# KiCad board 4-ch-backplane.kicad_pcb (continued)
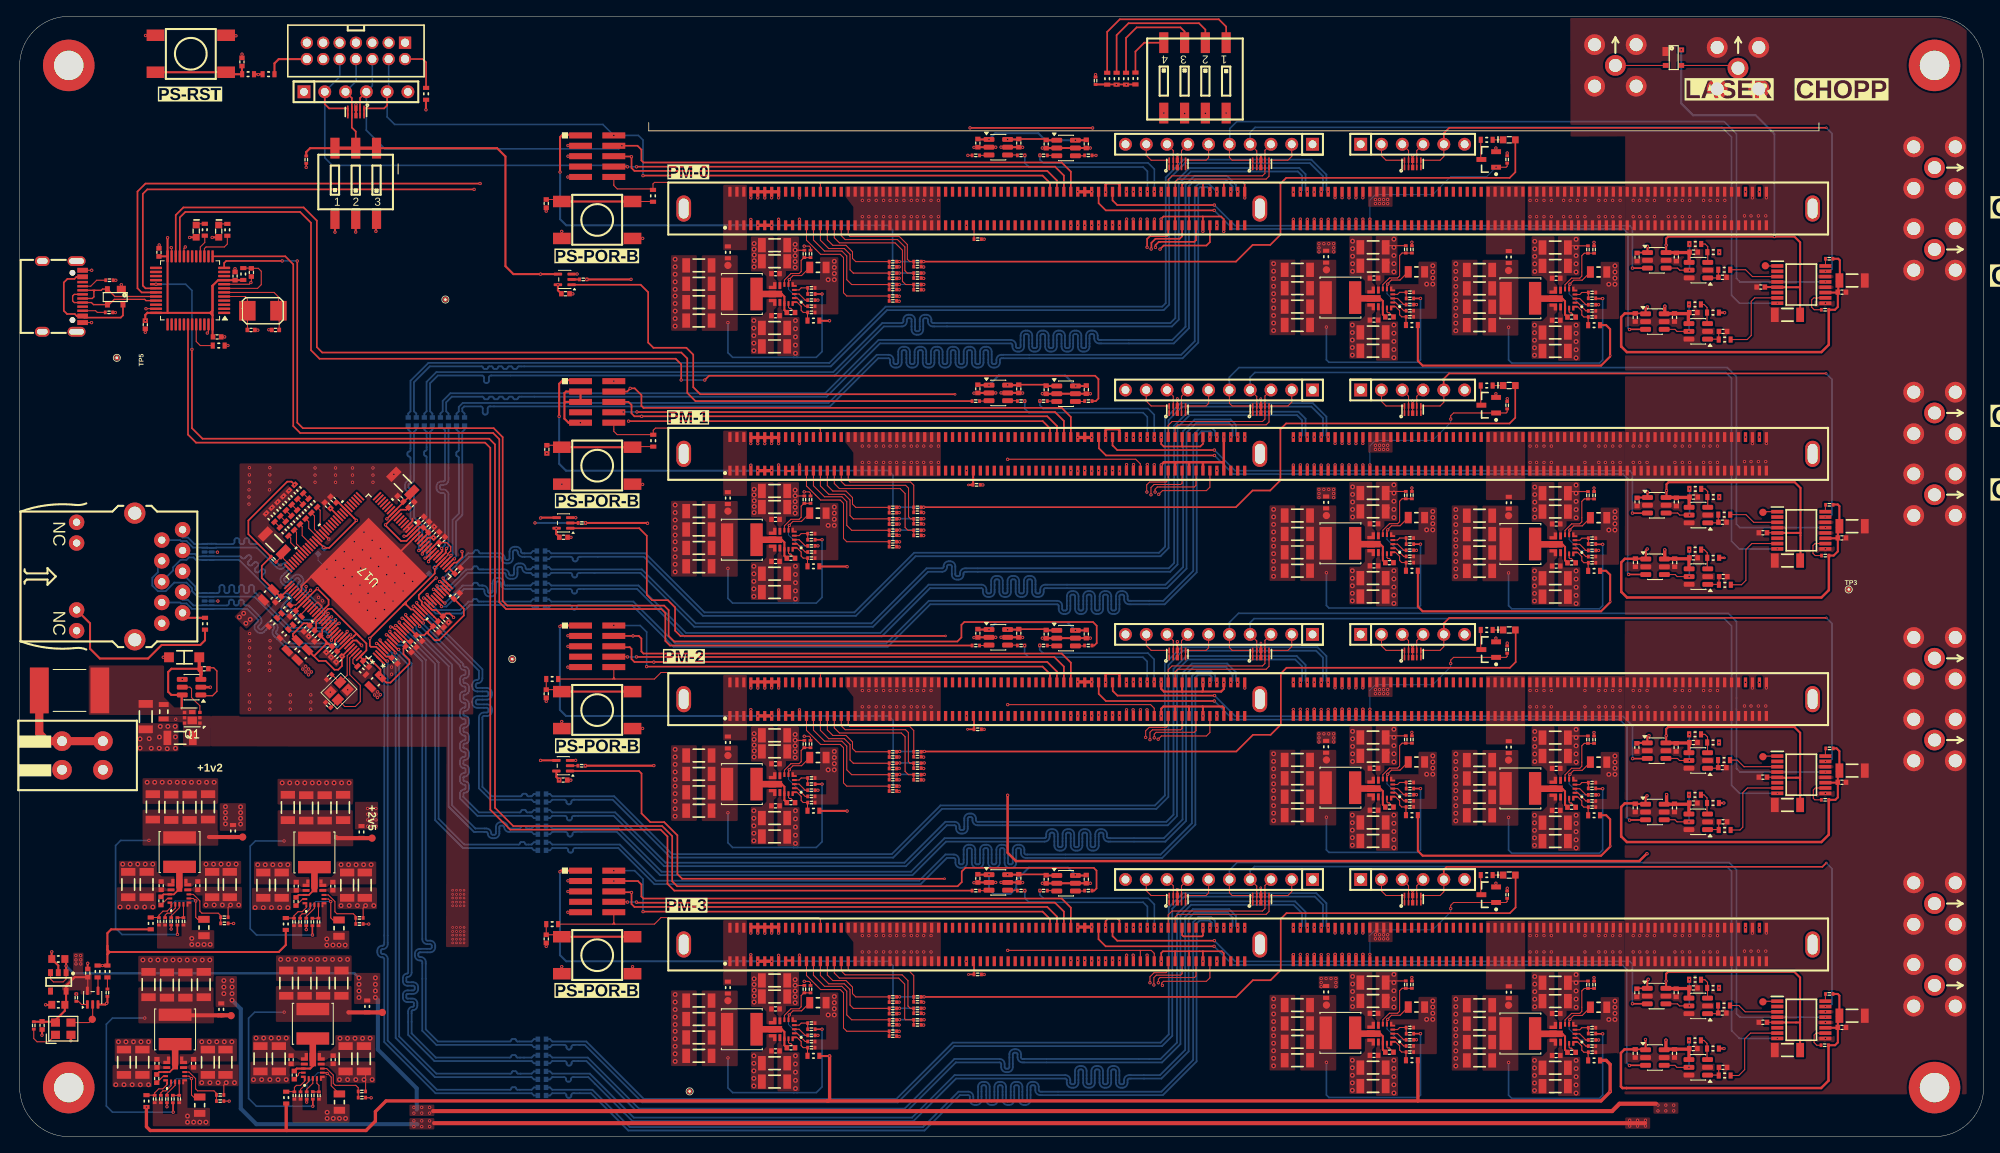
[diagram p0: board, top side]
## Routing (per net, layer and track width the routed paths; a pad name or vN(x,y) marks a point on that pad's centre or on a via; arc(x,y) is an arc through that point) (continued)
  Top Layer w0.25: C246.1 166.59,40.6 U30.13 166.59,42.24 166.26,42.57 U30.10
  Top Layer w0.8: U30.10 162.94,42.57
/TOP_LEVEL_IO/SPEEDY_PM__INST2/PWR/TPS543620_BUCK_2V4/L-: length 24.1
  Top Layer w0.2: 170.34,42.57 v1(171.19,42.57)
  Bottom Layer w0.2: v1(171.19,42.57) 171.19,35.07 170.88,34.76 159.99,34.76 159.69,35.07 v1(159.69,39.07)
/TOP_LEVEL_IO/SPEEDY_PM__INST2/PWR/TPS543620_BUCK_2V4/MODE: length 2.1
  Top Layer w0.12: U30.2 168.14,42.07 169.14,41.07 R172.2
/TOP_LEVEL_IO/SPEEDY_PM__INST2/PWR/TPS543620_BUCK_5V0_CONN/FB: length 2.5
  Top Layer w0.12: R157.1 R186.2 95.5,43.86 95.25,43.61 U32.4
/TOP_LEVEL_IO/SPEEDY_PM__INST2/PWR/TPS543620_BUCK_5V0_CONN/L+: length 5.8
  Top Layer w0.25: C248.1 93.45,41.14 U32.13 93.45,42.78 93.13,43.11 U32.10
  Top Layer w0.8: U32.10 89.8,43.11
/TOP_LEVEL_IO/SPEEDY_PM__INST2/PWR/TPS543620_BUCK_5V0_CONN/L-: length 23.6
  Top Layer w0.2: R157.2 v1(98.05,43.11)
  Bottom Layer w0.2: v1(86.55,39.61) 86.55,35.94 87.12,35.36 94.59,35.36 94.59,35.36 95.01,35.36 95.01,35.36 97.35,35.36 98.05,36.06 v1(98.05,43.11)
/TOP_LEVEL_IO/SPEEDY_PM__INST2/PWR/TPS543620_BUCK_5V0_CONN/MODE: length 2.1
  Top Layer w0.12: R174.2 96,41.61 95,42.61 U32.2
/TOP_LEVEL_IO/SPEEDY_PM__INST2/PWR/TPS543620_BUCK_5V0_PGA/FB: length 2.5
  Top Layer w0.12: 191.7,42.55 R185.2 190.9,43.3 190.65,43.05 U31.4
/TOP_LEVEL_IO/SPEEDY_PM__INST2/PWR/TPS543620_BUCK_5V0_PGA/L+: length 5.8
  Top Layer w0.25: C247.1 188.85,40.58 U31.13 188.85,42.22 188.52,42.55 U31.10
  Top Layer w0.8: U31.10 185.2,42.55
/TOP_LEVEL_IO/SPEEDY_PM__INST2/PWR/TPS543620_BUCK_5V0_PGA/L-: length 24.2
  Top Layer w0.2: 192.6,42.55 v1(193.45,42.55)
  Bottom Layer w0.2: v1(193.45,42.55) 193.45,35.05 193.06,34.66 182.33,34.66 181.95,35.05 v1(181.95,39.05)
/TOP_LEVEL_IO/SPEEDY_PM__INST2/PWR/TPS543620_BUCK_5V0_PGA/MODE: length 2.1
  Top Layer w0.12: U31.2 190.4,42.05 191.4,41.05 R173.2
/TOP_LEVEL_IO/SPEEDY_PM__INST2/SPI_CS/MIO1: length 13.7
  Top Layer w0.12: R285.1 R284.1 101.88,45.66 101.88,45.66 101.47,46.06 101.47,47.96 100.78,48.66 98.88,48.66 97.85,49.69 97.85,51.51
/TOP_LEVEL_IO/SPEEDY_PM__INST2/SPI_DQ0/BOOT_MODE[3]/MIO2: length 11.6
  Top Layer w0.12: 98.7,51.51 98.7,49.74 99.38,49.06 100.97,49.06 101.78,48.26 101.78,47.46 102.17,47.06 R246.1 R250.1
/TOP_LEVEL_IO/SPEEDY_PM__INST2/SPI_DQ1/BOOT_MODE[1]/MIO3: length 15.6
  Top Layer w0.12: R283.1 R282.1 101.67,44.26 101.07,44.86 101.07,47.76 100.47,48.36 98.35,48.36 97,49.71 97,51.51
/TOP_LEVEL_IO/SPEEDY_PM__INST2/SPI_DQ2/BOOT_MODE[2]/MIO4: length 18
  Top Layer w0.12: 96.15,49.76 96.15,49.69 ; 96.15,49.76 96.15,49.69 97.28,48.56 97.88,47.96 100.28,47.96 100.68,47.56 100.68,43.26 101.07,42.86 R280.1 R281.1 ; 96.15,49.76 96.15,51.51
/TOP_LEVEL_IO/SPEEDY_PM__INST2/SPI_DQ3/BOOT_MODE[0]/MIO5: length 14.7
  Top Layer w0.12: R265.1 R264.1 108.81,45.66 108.6,45.88 108.6,49.42 108.26,49.76 100.88,49.76 100.4,50.24 100.4,51.51
/TOP_LEVEL_IO/SPEEDY_PM__INST2/SPI_SCK/BOOT_MODE[4]/MIO6: length 16.7
  Top Layer w0.12: 99.55,51.51 99.55,49.99 100.18,49.36 107.74,49.36 108.2,48.9 108.2,44.66 108.6,44.26 R256.1 R257.1
/TOP_LEVEL_IO/SPEEDY_PM__INST2/SPI_SCLK_FB/VMODE[1]/MIO8: length 12.6
  Top Layer w0.12: 101.25,51.51 101.25,50.39 101.47,50.16 108.76,50.16 109.26,49.67 R296.1 R297.1
/TOP_LEVEL_IO/SPEEDY_PM__INST2/TRIGGER_IN_0: length 20.9
  Top Layer w0.12: D19.1 D19.10 138.27,59.46 137.67,60.07 J29.9
  In1.Cu w0.2: v1(129.3,51.45) 129.28,51.47 129.28,52.39 129.8,52.92 131.75,52.92 132.2,53.37 132.2,57.2 134.92,59.92 136.68,59.92 137.65,60.89 137.65,61.42
/TOP_LEVEL_IO/SPEEDY_PM__INST2/TRIGGER_IN_1: length 20.1
  Top Layer w0.12: J29.8 140.98,60.66 D19.9 D19.2
  In1.Cu w0.2: v1(131,51.45) 131,51.5 130.98,51.52 130.98,52.17 131.28,52.47 132.4,52.47 133.18,53.24 133.18,57.49 135.03,59.34 139.28,59.34 140.19,60.25 140.19,61.42
/TOP_LEVEL_IO/SPEEDY_PM__INST2/TRIGGER_OUT_0: length 21.3
  Top Layer w0.12: J29.7 141.98,60.64 D19.7 D19.4
  In1.Cu w0.2: 142.73,61.42 142.73,59.42 142.18,58.87 135.35,58.87 133.95,57.47 133.95,53.09 132.68,51.82 132.68,51.52
  Bottom Layer w0.12: 142.77,61.4 J29.7
  vias: v1(132.7,51.51)
/TOP_LEVEL_IO/SPEEDY_PM__INST2/TRIGGER_OUT_1: length 25.1
  Top Layer w0.12: 134.41,51.52 v1(134.4,51.51) ; J29.6 145.29,59.78 144.98,59.46 D19.6 D19.5
  In1.Cu w0.2: 145.27,61.42 145.27,59.28 144.33,58.34 135.45,58.34 134.38,57.27 134.38,51.52
/TOP_LEVEL_IO/SPEEDY_PM__INST2/TTC0_IN: length 19.4
  Top Layer w0.12: 141.2,55.61 141.2,56.84 141.52,57.16 152.32,57.16 152.68,57.51 D11.5 D11.6 154.98,59.46 155.45,59.94 J29.2
/TOP_LEVEL_IO/SPEEDY_PM__INST2/TTC0_OUT: length 17.5
  Top Layer w0.12: J29.3 152.18,60.68 D11.7 D11.4 152.18,57.86 151.88,57.56 140.82,57.56 140.35,57.09 140.35,55.61
/TOP_LEVEL_IO/SPEEDY_PM__INST2/UART_LS/RX_OUT: length 17.7
  Bottom Layer w0.2: v1(138.63,55.63) 138.63,58.38 137.88,59.13 125.06,59.13 124.66,59.53 v1(124.66,60.08)
/TOP_LEVEL_IO/SPEEDY_PM__INST2/UART_LS/TX_IN: length 18.8
  Top Layer w0.12: 122.81,60.08 v1(122.81,60.05)
  Bottom Layer w0.2: v1(137.78,55.63) 137.78,58.11 137.26,58.63 123.31,58.63 122.81,59.13 v1(122.81,60.05)
/TOP_LEVEL_IO/SPEEDY_PM__INST3/CH1: length 25.3
  In1.Cu w0.276: 234,28.47 212.2,28.47 210.9,27.17 210.9,25.53
  vias: v1(210.9,25.55)
/TOP_LEVEL_IO/SPEEDY_PM__INST3/CH2: length 30.9
  In1.Cu w0.276: 234,18.47 227.3,18.47 226.45,19.32 226.45,26.47 225.52,27.4 213.07,27.4 212.6,26.92 212.6,25.53
  vias: v1(212.6,25.55)
/TOP_LEVEL_IO/SPEEDY_PM__INST3/FPGA_T19: length 104
  Top Layer w0.12: 159.9,21.54 159.9,22.27 v1(159.9,22.27) ; J34.5 174.04,29.95 173.58,29.49 D22.6 D22.5
  Top Layer w0.2: v3(220.77,33.47) 220.3,33 174.38,33 174.03,32.65 174.03,31.45
  In1.Cu w0.2: 174.04,31.43 174.08,31.39 174.08,29.15 172.45,27.53 155.49,27.53 155.09,27.12 155.09,24.91 155.52,24.48 159.17,24.48 159.9,23.74 159.9,22.26
  Bottom Layer w0.2: v3(220.77,33.47) 221.47,32.77 221.47,16.19 221.19,15.92 v3(220.65,15.92)
/TOP_LEVEL_IO/SPEEDY_PM__INST3/FPGA_T20: length 33.2
  Top Layer w0.12: J34.4 170.73,30.67 D22.7 D22.4 ; v1(159.05,22.26) 159.05,21.54
  In1.Cu w0.2: 159.05,22.25 159.05,23.4 158.49,23.96 154.89,23.96 154.64,24.21 154.64,27.59 155.03,27.97 170.8,27.97 171.5,28.67 171.5,31.43
/TOP_LEVEL_IO/SPEEDY_PM__INST3/FPGA_U17: length 30.3
  Top Layer w0.12: 157.35,21.54 157.35,22.27 v1(157.35,22.27) ; J34.3 169.73,30.67 D22.9 D22.2 ; 169.04,30.82 169.04,31.44
  In1.Cu w0.2: 168.96,31.43 168.96,29.13 168.18,28.35 154.63,28.35 154.22,27.94 154.22,23.78 154.57,23.43 156.69,23.43 157.35,22.77 157.35,22.26
/TOP_LEVEL_IO/SPEEDY_PM__INST3/FPGA_U20: length 22.4
  Top Layer w0.12: 165,21.54 165,22.28 v1(165,22.28) ; R190.2 181.77,28.76 181.65,28.64 Q7.1 175.23,28.64 174.88,28.29 v1(174.88,27.89)
  Bottom Layer w0.12: v1(165,22.28) 165,22.29 165,24.61 165.68,25.29 172.68,25.29 174.88,27.49 v1(174.88,27.89)
/TOP_LEVEL_IO/SPEEDY_PM__INST3/FPGA_V18: length 29.3
  Top Layer w0.12: D22.1 D22.10 166.97,29.49 166.42,30.05 J34.2 ; v1(156.5,22.29) 156.5,21.54
  In1.Cu w0.2: 156.5,22.28 156.5,22.75 156.35,22.9 154.3,22.9 153.83,23.38 153.83,28.22 154.5,28.9 165.76,28.9 166.42,29.55 166.42,31.43
/TOP_LEVEL_IO/SPEEDY_PM__INST3/I2C0_SCL: length 115.6
  Top Layer w0.12: 135.28,25.66 135.25,25.64 ; D23.1 D23.10 148.17,29.49 147.83,29.83 J36.5
  In1.Cu w0.2: 135.25,25.58 135.25,27.03 135.83,27.62 147,27.62 147.83,28.45 147.83,31.4
  Bottom Layer w0.2: 220.66,14.61 210.23,14.61 209.8,15.04 209.8,32.62 208.9,33.52 148.76,33.52 147.83,32.59 J36.5 147.88,31.49
  vias: v1(135.24,25.62) v3(220.66,14.61)
/TOP_LEVEL_IO/SPEEDY_PM__INST3/I2C0_SDA: length 108.5
  Top Layer w0.12: J36.4 151.18,30.64 D23.9 D23.2
  In1.Cu w0.2: 150.38,31.4 150.38,27.69 149.7,27.02 136.45,27.02 136.1,26.67 v1(136.1,25.59)
  Bottom Layer w0.2: J36.4 150.37,32.51 150.89,33.03 208.6,33.03 209.2,32.43 209.2,12.96 210.15,12.01 214.79,12.01
  vias: v3(214.79,12.01)
/TOP_LEVEL_IO/SPEEDY_PM__INST3/Laser_Chopper_FE/CHOPPER_OUT: length 81.3
  Top Layer w0.2: 198.68,8.72 196.74,8.72 v1(196.71,8.7) ; v1(145.96,23.28) 132.71,23.28 131.84,24.15 131.84,25.55
  Bottom Layer w0.2: v1(145.96,23.28) 148.24,21 195.85,21 196.4,20.45 196.4,9.01 v1(196.71,8.7)
/TOP_LEVEL_IO/SPEEDY_PM__INST3/Laser_Chopper_FE/DAC_CHOPPER: length 10.2
  Top Layer w0.12: 209.21,7.35 R226.1 210.07,7.47 210.8,8.2 210.8,11.95 211.51,12.66 U50.7
/TOP_LEVEL_IO/SPEEDY_PM__INST3/Laser_Chopper_FE/DAC_SYNC: length 6.1
  Top Layer w0.12: U50.3 210.86,15.26 210.09,16.04 R230.1
/TOP_LEVEL_IO/SPEEDY_PM__INST3/Laser_Chopper_FE/LASER_SYNC_OUT: length 72.8
  Top Layer w0.12: 197.05,16.21 v1(197.09,16.25)
  Top Layer w0.2: v1(146,23.96) 134.12,23.96 133.55,24.54 133.55,25.59 ; 198.93,16.25 v1(197.09,16.25)
  Bottom Layer w0.2: v1(146,23.96) 148.52,21.44 196.75,21.44 197.07,21.11 197.07,16.26 v1(197.09,16.25)
/TOP_LEVEL_IO/SPEEDY_PM__INST3/PM__1V8: length 0.9
  Top Layer w0.25: 93.6,21.54 94.45,21.54
/TOP_LEVEL_IO/SPEEDY_PM__INST3/PM__2V4:
  vias: v1(159.05,19.34) v1(159.05,18.84) v1(159.05,18.34) v1(159.64,19.34) v1(160.25,19.34) v1(160.85,19.34) v1(160.85,18.84) v1(160.85,18.34) v1(165.68,24.69) v1(165.68,24.19) v1(166.18,24.69) v1(166.18,24.19) v1(166.68,24.69) v1(166.68,24.19) v1(167.18,24.69) v1(167.18,24.19)
/TOP_LEVEL_IO/SPEEDY_PM__INST3/PM__3V3: length 161.1
  Top Layer w0.2: R286.2 107.47,12.89 v1(107.47,12.88) ; R298.2 110.51,17.09 ; 110.51,17.09 148.66,17.09 150.7,19.13 152.85,19.13 154.1,20.38 154.1,26.63 154.8,27.33 182.1,27.33 182.8,28.03 182.8,31.98 ; 110.51,17.09 v1(110.53,17.1) ; v1(107.53,15.7) 107.51,15.69 R290.2 ; v1(110.53,15.7) 110.51,15.69 R266.2 ; R288.2 107.51,14.29 v1(107.53,14.3) ; R247.2 107.51,17.09 v1(107.53,17.1) ; R258.2 110.51,14.29 v1(110.53,14.3)
  Top Layer w0.25: v1(66.03,32.4) 66.15,32.53 J40.1
  Top Layer w0.4: v1(91.9,21.45) v1(90.2,21.45)
  Bottom Layer w0.2: 106.72,17.1 v1(107.53,17.1) v1(110.53,17.1) ; 106.72,17.1 106.72,15.7 ; 106.72,17.1 106.72,20.9 106.18,21.45 v1(91.9,21.45) ; 106.72,15.7 v1(107.53,15.7) v1(110.53,15.7) ; 106.72,15.7 106.72,14.3 ; v1(107.47,12.88) 106.84,12.88 106.72,13 106.72,14.3 ; 106.72,14.3 v1(107.53,14.3) v1(110.53,14.3)
  Bottom Layer w0.25: v1(66.03,32.4) 66.03,22.2 66.78,21.45 v1(90.2,21.45)
/TOP_LEVEL_IO/SPEEDY_PM__INST3/PS_POR_B: length 35.3
  Top Layer w0.12: 72.61,26.12 72.61,26.12 72.74,25.99 ; 72.61,26.12 72.47,25.99 ; 72.61,26.12 72.61,26.19 ; R191.2 72.47,25.99 ; 72.47,25.99 72.74,25.99 ; 72.74,25.99 77.57,25.99 78.38,26.79 97.68,26.79 97.85,26.61 97.85,25.64 ; J40.10 72.61,26.19 ; 72.61,26.19 72.61,26.06
/TOP_LEVEL_IO/SPEEDY_PM__INST3/PWR/TPS543620_BUCK_2V4/FB: length 2.5
  Top Layer w0.12: 169.44,12.59 R222.2 168.64,13.34 168.39,13.09 U36.4
/TOP_LEVEL_IO/SPEEDY_PM__INST3/PWR/TPS543620_BUCK_2V4/L+: length 5.8
  Top Layer w0.25: U36.10 166.26,12.59 166.59,12.27 U36.13 166.59,10.63 C291.1
  Top Layer w0.8: U36.10 162.94,12.59
/TOP_LEVEL_IO/SPEEDY_PM__INST3/PWR/TPS543620_BUCK_2V4/L-: length 24.1
  Top Layer w0.2: 170.34,12.59 v1(171.19,12.59)
  Bottom Layer w0.2: v1(159.69,9.09) 159.69,5.09 159.99,4.79 170.88,4.79 171.19,5.09 v1(171.19,12.59)
/TOP_LEVEL_IO/SPEEDY_PM__INST3/PWR/TPS543620_BUCK_2V4/MODE: length 2.1
  Top Layer w0.12: R210.2 169.14,11.09 168.14,12.09 U36.2
/TOP_LEVEL_IO/SPEEDY_PM__INST3/PWR/TPS543620_BUCK_5V0_CONN/FB: length 2.5
  Top Layer w0.12: R195.1 R224.2 95.5,13.88 95.25,13.63 U38.4
/TOP_LEVEL_IO/SPEEDY_PM__INST3/PWR/TPS543620_BUCK_5V0_CONN/L+: length 5.8
  Top Layer w0.25: C293.1 93.45,11.17 U38.13 93.45,12.81 93.13,13.13 U38.10
  Top Layer w0.8: U38.10 89.8,13.13
/TOP_LEVEL_IO/SPEEDY_PM__INST3/PWR/TPS543620_BUCK_5V0_CONN/L-: length 23.6
  Top Layer w0.2: R195.2 v1(98.05,13.13)
  Bottom Layer w0.2: v1(98.05,13.13) 98.05,6.09 97.35,5.39 95.01,5.39 95.01,5.38 94.59,5.38 94.59,5.39 87.12,5.39 86.55,5.96 v1(86.55,9.63)
/TOP_LEVEL_IO/SPEEDY_PM__INST3/PWR/TPS543620_BUCK_5V0_CONN/MODE: length 2.1
  Top Layer w0.12: R212.2 96,11.63 95,12.63 U38.2
/TOP_LEVEL_IO/SPEEDY_PM__INST3/PWR/TPS543620_BUCK_5V0_PGA/FB: length 2.5
  Top Layer w0.12: U37.4 190.65,13.07 190.9,13.32 R223.2 191.7,12.57
/TOP_LEVEL_IO/SPEEDY_PM__INST3/PWR/TPS543620_BUCK_5V0_PGA/L+: length 5.8
  Top Layer w0.25: U37.10 188.52,12.57 188.85,12.25 U37.13 188.85,10.61 C292.1
  Top Layer w0.8: U37.10 185.2,12.57
/TOP_LEVEL_IO/SPEEDY_PM__INST3/PWR/TPS543620_BUCK_5V0_PGA/L-: length 24.2
  Top Layer w0.2: 192.6,12.57 v1(193.45,12.57)
  Bottom Layer w0.2: v1(181.95,9.07) 181.95,5.07 182.33,4.69 193.06,4.69 193.45,5.07 v1(193.45,12.57)
/TOP_LEVEL_IO/SPEEDY_PM__INST3/PWR/TPS543620_BUCK_5V0_PGA/MODE: length 2.1
  Top Layer w0.12: R211.2 191.4,11.07 190.4,12.07 U37.2
/TOP_LEVEL_IO/SPEEDY_PM__INST3/SPI_CS/MIO1: length 13.7
  Top Layer w0.12: 97.85,21.54 97.85,19.71 98.88,18.69 100.78,18.69 101.47,17.99 101.47,16.09 101.87,15.69 R290.1 R291.1
/TOP_LEVEL_IO/SPEEDY_PM__INST3/SPI_DQ0/BOOT_MODE[3]/MIO2: length 11.6
  Top Layer w0.12: 98.7,21.54 98.7,19.76 99.38,19.09 100.97,19.09 101.78,18.29 101.78,17.49 102.17,17.09 R247.1 R251.1
/TOP_LEVEL_IO/SPEEDY_PM__INST3/SPI_DQ1/BOOT_MODE[1]/MIO3: length 15.6
  Top Layer w0.12: R289.1 R288.1 101.67,14.29 101.07,14.89 101.07,17.79 100.47,18.39 98.35,18.39 97,19.74 97,21.54
/TOP_LEVEL_IO/SPEEDY_PM__INST3/SPI_DQ2/BOOT_MODE[2]/MIO4: length 18
  Top Layer w0.12: 96.15,19.79 96.15,19.71 ; 96.15,19.79 96.15,21.54 ; 96.15,19.79 96.15,19.71 ; 96.15,19.71 97.28,18.59 97.88,17.99 100.28,17.99 100.68,17.59 100.68,13.29 101.07,12.89 R286.1 R287.1
/TOP_LEVEL_IO/SPEEDY_PM__INST3/SPI_DQ3/BOOT_MODE[0]/MIO5: length 14.4
  Top Layer w0.12: 100.4,21.54 100.4,20.26 100.88,19.79 107.84,19.79 108.55,19.07 108.55,15.97 108.84,15.69 R266.1 R267.1
/TOP_LEVEL_IO/SPEEDY_PM__INST3/SPI_SCK/BOOT_MODE[4]/MIO6: length 16.7
  Top Layer w0.12: R259.1 R258.1 108.27,14.29 108.15,14.41 108.15,18.65 107.41,19.39 100.18,19.39 99.55,20.01 99.55,21.54
/TOP_LEVEL_IO/SPEEDY_PM__INST3/SPI_SCLK_FB/VMODE[1]/MIO8: length 12.6
  Top Layer w0.12: R299.1 R298.1 109.26,19.69 108.76,20.19 101.47,20.19 101.25,20.41 101.25,21.54
/TOP_LEVEL_IO/SPEEDY_PM__INST3/TRIGGER_IN_0: length 20.8
  Top Layer w0.12: J36.9 137.67,30.09 138.27,29.49 D24.10 D24.1
  In1.Cu w0.2: 137.68,31.4 137.68,30.86 136.7,29.89 134.99,29.89 132.23,27.13 132.23,23.34 131.78,22.89 129.83,22.89 129.3,22.37 129.3,21.49
  vias: v1(129.3,21.54)
/TOP_LEVEL_IO/SPEEDY_PM__INST3/TRIGGER_IN_1: length 20
  Top Layer w0.12: J36.8 140.98,30.68 D24.9 D24.2
  In1.Cu w0.2: v1(131,21.49) 131,22.14 131.3,22.44 132.43,22.44 133.2,23.22 133.2,27.47 135.05,29.32 139.3,29.32 140.21,30.23 140.21,31.4
/TOP_LEVEL_IO/SPEEDY_PM__INST3/TRIGGER_OUT_0: length 21.3
  Top Layer w0.12: D24.4 D24.7 141.98,30.67 J36.7
  In1.Cu w0.2: 142.75,31.4 142.75,29.39 142.2,28.84 135.38,28.84 133.98,27.44 133.98,23.07 132.7,21.79 132.7,21.49
  Bottom Layer w0.12: 142.77,31.42 J36.7
  vias: v1(132.7,21.54)
/TOP_LEVEL_IO/SPEEDY_PM__INST3/TRIGGER_OUT_1: length 25.1
  Top Layer w0.12: D24.5 D24.6 144.98,29.49 145.29,29.8 J36.6 ; 134.41,21.55 v1(134.4,21.54)
  In1.Cu w0.2: 134.4,21.49 134.4,27.24 135.48,28.32 144.35,28.32 145.3,29.26 145.3,31.4
/TOP_LEVEL_IO/SPEEDY_PM__INST3/TTC0_IN: length 19.4
  Top Layer w0.12: 141.2,25.64 141.2,26.86 141.52,27.19 152.32,27.19 152.68,27.54 D23.5 D23.6 154.98,29.49 155.45,29.96 J36.2
/TOP_LEVEL_IO/SPEEDY_PM__INST3/TTC0_OUT: length 17.5
  Top Layer w0.12: J36.3 152.18,30.71 D23.7 D23.4 152.18,27.89 151.88,27.59 140.82,27.59 140.35,27.11 140.35,25.64
/TOP_LEVEL_IO/SPEEDY_PM__INST3/UART_LS/RX_OUT: length 17.7
  Bottom Layer w0.2: v1(138.66,25.66) 138.66,28.4 137.9,29.16 125.09,29.16 124.69,29.56 v1(124.69,30.1)
/TOP_LEVEL_IO/SPEEDY_PM__INST3/UART_LS/TX_IN: length 18.8
  Top Layer w0.12: 122.84,30.1 v1(122.84,30.07)
  Bottom Layer w0.2: v1(122.84,30.07) 122.84,29.16 123.34,28.66 137.29,28.66 137.81,28.14 v1(137.81,25.66)
/TOP_LEVEL_IO/SPEEDY_PM__INST/CH1: length 25.3
  In1.Cu w0.276: J4.1 212.2,118.5 210.9,117.2 v1(210.9,115.55)
/TOP_LEVEL_IO/SPEEDY_PM__INST/CH2: length 30.9
  In1.Cu w0.276: v1(212.6,115.55) 212.6,116.95 213.07,117.42 225.52,117.42 226.45,116.5 226.45,109.35 227.3,108.5 J12.1
/TOP_LEVEL_IO/SPEEDY_PM__INST/FPGA_T19: length 104.1
  Top Layer w0.12: J22.5 174.04,119.86 173.58,119.4 D2.6 D2.5 ; v1(159.9,112.18) 159.9,112.18 J7.81
  Top Layer w0.2: v3(220.77,123.38) 174.7,123.38 174.04,122.71 J22.5
  In1.Cu w0.2: v1(159.9,112.18) 159.9,113.67 159.17,114.41 155.52,114.41 155.09,114.83 155.09,117.05 155.49,117.45 172.45,117.45 174.08,119.07 174.08,121.32 J22.5
  Bottom Layer w0.2: v3(220.77,123.38) 221.48,122.67 221.48,106.1 221.2,105.82 v3(220.66,105.82)
/TOP_LEVEL_IO/SPEEDY_PM__INST/FPGA_T20: length 33.2
  Top Layer w0.12: D2.4 D2.7 170.73,120.59 J22.4 ; v1(159.05,112.17) J7.80
  In1.Cu w0.2: v1(159.05,112.17) 159.05,113.32 158.49,113.88 154.89,113.88 154.64,114.13 154.64,117.52 155.03,117.9 170.8,117.9 171.5,118.59 J22.4
/TOP_LEVEL_IO/SPEEDY_PM__INST/FPGA_U17: length 30.3
  Top Layer w0.12: J7.78 157.35,112.18 v1(157.35,112.18) ; D2.2 D2.9 169.73,120.59 J22.3 ; 169.04,120.73 169.04,121.36
  In1.Cu w0.2: v1(157.35,112.18) 157.35,112.7 156.69,113.36 154.57,113.36 154.22,113.71 154.22,117.86 154.63,118.27 168.18,118.27 168.96,119.05 J22.3
/TOP_LEVEL_IO/SPEEDY_PM__INST/FPGA_U20: length 21.9
  Top Layer w0.12: J7.87 165,112.2 v1(165,112.2) ; R31.2 181.77,118.68 181.65,118.55 v1(180.43,118.55)
  Bottom Layer w0.12: v1(165,112.2) 165,112.2 165,114.53 165.68,115.2 172.68,115.2 174.88,117.4 179.27,117.4 v1(180.43,118.55)
/TOP_LEVEL_IO/SPEEDY_PM__INST/FPGA_V18: length 29.3
  Top Layer w0.12: J22.2 166.42,119.96 166.97,119.4 D2.10 D2.1 ; v1(156.5,112.2) J7.77
  In1.Cu w0.2: J22.2 166.42,119.48 165.76,118.82 154.5,118.82 153.83,118.15 153.83,113.3 154.3,112.82 156.35,112.82 156.5,112.68 v1(156.5,112.2)
/TOP_LEVEL_IO/SPEEDY_PM__INST/I2C0_SCL: length 116.6
  Top Layer w0.12: 135.28,115.58 J7.202 ; J16.5 147.83,119.74 148.17,119.4 D5.10 D5.1
  In1.Cu w0.2: v1(135.24,115.54) 135.24,116.99 135.82,117.57 147,117.57 147.83,118.41 J16.5
  Bottom Layer w0.2: v3(220.66,104.52) 210.23,104.52 209.8,104.95 209.8,122.62 208.3,124.12 148.73,124.12 147.88,123.27 147.88,121.4 J16.5
/TOP_LEVEL_IO/SPEEDY_PM__INST/I2C0_SDA: length 109
  Top Layer w0.12: D5.2 D5.9 151.18,120.55 J16.4
  In1.Cu w0.2: J16.4 150.37,117.65 149.7,116.97 136.45,116.97 136.1,116.63 v1(136.1,115.55)
  Bottom Layer w0.2: v3(214.79,101.92) 210.15,101.92 209.2,102.88 209.2,122.25 208.02,123.42 150.98,123.42 150.37,122.82 J16.4
/TOP_LEVEL_IO/SPEEDY_PM__INST/Laser_Chopper_FE/CHOPPER_OUT: length 81.4
  Top Layer w0.2: v1(145.98,113.27) 132.72,113.27 131.85,114.15 J7.198 ; U4.3 196.75,98.72 v1(196.73,98.7)
  Bottom Layer w0.2: v1(196.73,98.7) 196.55,98.88 196.55,110.45 196,111 148.25,111 v1(145.98,113.27)
/TOP_LEVEL_IO/SPEEDY_PM__INST/Laser_Chopper_FE/DAC_CHOPPER: length 10.4
  Top Layer w0.12: U47.7 212.02,102.57 211.6,102.15 211.6,97.97 211.1,97.47 R193.1 209.21,97.35
/TOP_LEVEL_IO/SPEEDY_PM__INST/Laser_Chopper_FE/DAC_SYNC: length 6.1
  Top Layer w0.12: 214.79,105.17 211.75,105.17 210.91,106.01 R227.1
/TOP_LEVEL_IO/SPEEDY_PM__INST/Laser_Chopper_FE/LASER_SYNC_OUT: length 72.8
  Top Layer w0.12: 197.05,106.17 v1(197.09,106.21)
  Top Layer w0.2: v1(146,113.92) 134.12,113.92 133.55,114.5 J7.200 ; U8.3 v1(197.09,106.21)
  Bottom Layer w0.2: v1(197.09,106.21) 197.07,106.22 197.07,111.07 196.75,111.4 148.52,111.4 v1(146,113.92)
/TOP_LEVEL_IO/SPEEDY_PM__INST/PM__1V8: length 0.9
  Top Layer w0.25: J7.9 J7.10
/TOP_LEVEL_IO/SPEEDY_PM__INST/PM__2V4:
  vias: v1(158.77,109.2) v1(158.77,108.7) v1(158.77,108.2) v1(159.38,109.2) v1(159.98,109.2) v1(160.57,109.2) v1(160.57,108.7) v1(160.57,108.2) v1(165.68,114.6) v1(165.68,114.1) v1(166.18,114.6) v1(166.18,114.1) v1(166.68,114.6) v1(166.68,114.1) v1(167.18,114.6) v1(167.18,114.1)
/TOP_LEVEL_IO/SPEEDY_PM__INST/PM__3V3: length 158.8
  Top Layer w0.2: v1(110.49,107.01) 148.63,107.01 150.68,109.05 152.82,109.05 154.07,110.3 154.07,116.55 154.77,117.25 182.07,117.25 182.77,117.95 D14.A
  Top Layer w0.25: 68.56,122.53 66.34,122.53 66.03,122.22 v1(66.03,117.96)
  Top Layer w0.4: J7.5 v1(91.9,111.45)
  Bottom Layer w0.12: v1(110.49,104.21) v1(107.49,104.21)
  Bottom Layer w0.2: 106.69,106.7 106.68,106.71 106.68,110.88 106.1,111.45 v1(91.9,111.45) ; 106.69,106.7 106.69,107.01 v1(107.49,107.01) v1(110.49,107.01) ; 106.69,106.7 106.69,105.61 ; 106.69,105.61 v1(107.49,105.61) v1(110.49,105.61) ; 106.69,105.61 106.69,104.21 ; v1(107.49,102.77) 107.46,102.79 106.8,102.79 106.69,102.91 106.69,104.21 ; 106.69,104.21 v1(107.49,104.21)
  Bottom Layer w0.25: v1(90.22,111.45) 66.79,111.45 66.04,112.2 66.04,117.95 v1(66.03,117.96)
/TOP_LEVEL_IO/SPEEDY_PM__INST/PS_POR_B: length 28.5
  Top Layer w0.12: J13.10 72.61,116.32 73.03,115.9 77.57,115.9 ; R3.2 77.4,116.51 77.59,116.7 97.68,116.7 97.85,116.53 J7.158
/TOP_LEVEL_IO/SPEEDY_PM__INST/PWR/PWR_VIN: length 41.1
  Top Layer w0.12: 189.65,17.02 C274.2 ; R176.2 189.65,49 ; R44.2 41.97,27.96 v2(42.27,28.26) ; R37.2 167.39,108.96 ; v2(94.77,78.37) 94.78,78.35 R43.2 ; R42.2 189.65,78.89 ; 189.65,47 C229.2 ; v2(25.77,28.33) 25.47,28.03 R48.2 ; 167.39,106.96 C13.2 ; 94.25,17.58 C275.2 ; R40.2 42.28,7.53 ; 40.28,7.53 C16.2 ; v2(94.77,18.5) 94.78,18.49 R215.2 ; 189.65,76.89 C11.2 ; R213.2 167.39,19.04 ; R38.2 189.65,108.94 ; R39.2 94.78,108.4 v2(94.77,108.42) ; R214.2 189.65,19.02 ; v2(94.77,48.48) 94.78,48.46 R177.2 ; R63.2 24.95,6.3 v2(25.25,6.6) ; R41.2 167.39,78.91 ; 94.25,77.45 C12.2 ; 94.25,107.5 C15.2 ; 167.39,47.02 C228.2 ; 94.25,47.56 C230.2 ; R175.2 167.39,49.02 ; 189.65,106.94 C14.2 ; 167.39,76.91 C10.2 ; 167.39,17.04 C273.2
  In1.Cu w0.4: v1(19.07,51.05) 19.07,55.55 19.45,55.92 19.86,55.92 v1(19.87,55.92)
  vias: v2(11.75,6.35) v2(12.27,28.08) v2(12.75,6.35) v2(13.27,28.08) v2(13.75,6.35) v2(14.27,28.08) v2(14.75,6.35) v2(15.27,28.08) v2(15.75,6.35) v2(16.27,28.08) v2(22.25,6.6) v2(22.77,28.33) v2(23.25,6.6) v2(23.77,28.33) v2(24.25,6.6) v2(24.77,28.33) v2(26.25,6.6) v2(26.77,28.33) v2(28.57,6.97) v2(28.77,28.01) v2(29.57,6.97) v2(29.77,28.01) v2(30.57,6.97) v2(30.77,28.01) v2(31.57,6.97) v2(31.77,28.01) v2(32.57,6.97) v2(32.77,28.01) v2(39.07,6.97) v2(39.27,28.26) v2(40.07,6.97) v2(40.27,28.26) v2(41.07,6.97) v2(41.27,28.26) v2(42.07,6.97) v2(43.07,6.97) v2(43.27,28.26) v2(94.77,109.12) v2(94.77,107.72) v2(94.77,107.02) v2(94.77,106.3) v2(94.8,99.8) v2(94.8,98.8) v2(94.8,97.8) v2(94.8,96.8) v2(94.8,95.8) v2(94.77,79.07) v2(94.77,77.67) v2(94.77,76.97) v2(94.77,76.25) v2(94.8,69.75) v2(94.8,68.75) v2(94.8,67.75) v2(94.8,66.75) v2(94.8,65.75) v2(94.77,49.18) v2(94.77,47.78) v2(94.77,47.08) v2(94.77,46.36) v2(94.8,39.86) v2(94.8,38.86) v2(94.8,37.86) v2(94.8,36.86) v2(94.8,35.86) v2(94.77,19.2) v2(94.77,17.8) v2(94.77,17.1) v2(94.77,16.38) v2(94.8,9.88) v2(94.8,8.88) v2(94.8,7.88) v2(94.8,6.88) v2(94.8,5.88) v2(167.94,109.76) v2(167.94,108.76) v2(167.94,107.76) v2(167.94,106.76) v2(167.94,105.76) v2(167.94,99.26) v2(167.94,98.26) v2(167.94,97.26) v2(167.94,96.26) v2(167.94,95.26) v2(167.94,79.71) v2(167.94,78.71) v2(167.94,77.71) v2(167.94,76.71) v2(167.94,75.71) v2(167.94,69.21) v2(167.94,68.21) v2(167.94,67.21) v2(167.94,66.21) v2(167.94,65.21) v2(167.94,49.82) v2(167.94,48.82) v2(167.94,47.82) v2(167.94,46.82) v2(167.94,45.82) v2(167.94,39.32) v2(167.94,38.32) v2(167.94,37.32) v2(167.94,36.32) v2(167.94,35.32) v2(167.94,19.84) v2(167.94,18.84) v2(167.94,17.84) v2(167.94,16.84) v2(167.94,15.84) v2(167.94,9.34) v2(167.94,8.34) v2(167.94,7.34) v2(167.94,6.34) v2(167.94,5.34) v2(190.2,109.74) v2(190.2,108.74) v2(190.2,107.74) v2(190.2,106.74) v2(190.2,105.74) v2(190.2,99.24) v2(190.2,98.24) v2(190.2,97.24) v2(190.2,96.24) v2(190.2,95.24) v2(190.2,79.69) v2(190.2,78.69) v2(190.2,77.69) v2(190.2,76.69) v2(190.2,75.69) v2(190.2,69.19) v2(190.2,68.19) v2(190.2,67.19) v2(190.2,66.19) v2(190.2,65.19) v2(190.2,49.8) v2(190.2,48.8) v2(190.2,47.8) v2(190.2,46.8) v2(190.2,45.8) v2(190.2,39.3) v2(190.2,38.3) v2(190.2,37.3) v2(190.2,36.3) v2(190.2,35.3) v2(190.2,19.82) v2(190.2,18.82) v2(190.2,17.82) v2(190.2,16.82) v2(190.2,15.82) v2(190.2,9.32) v2(190.2,8.32) v2(190.2,7.32) v2(190.2,6.32) v2(190.2,5.32) v3(52.91,30.13) v3(52.91,29.63) v3(52.91,29.18) v3(52.91,28.68) v3(52.91,28.23) v3(52.91,25.59) v3(52.91,25.09) v3(52.91,24.64) v3(52.91,24.14) v3(52.91,23.69) v3(53.38,30.13) v3(53.38,29.63) v3(53.38,29.18) v3(53.38,28.68) v3(53.38,28.23) v3(53.38,25.59) v3(53.38,25.09) v3(53.38,24.64) v3(53.38,24.14) v3(53.38,23.69) v3(53.85,30.13) v3(53.85,29.63) v3(53.85,29.18) v3(53.85,28.68) v3(53.85,28.23) v3(53.85,25.59) v3(53.85,25.09) v3(53.85,24.64) v3(53.85,24.14) v3(53.85,23.69) v3(54.31,30.13) v3(54.31,29.63) v3(54.31,29.18) v3(54.31,28.68) v3(54.31,28.23) v3(54.31,25.59) v3(54.31,25.09) v3(54.31,24.64) v3(54.31,24.14) v3(54.31,23.69)
/TOP_LEVEL_IO/SPEEDY_PM__INST/PWR/TPS543620_BUCK_2V4/FB: length 2.5
  Top Layer w0.12: U19.4 168.39,103 168.64,103.26 R60.2 169.44,102.51
/TOP_LEVEL_IO/SPEEDY_PM__INST/PWR/TPS543620_BUCK_2V4/L+: length 5.8
  Top Layer w0.25: C68.1 166.59,100.54 U19.13 166.59,102.18 166.26,102.51 U19.10
  Top Layer w0.8: U19.10 162.94,102.51
/TOP_LEVEL_IO/SPEEDY_PM__INST/PWR/TPS543620_BUCK_2V4/L-: length 24.1
  Top Layer w0.2: 170.34,102.51 v1(171.19,102.51)
  Bottom Layer w0.2: v1(159.69,99.01) 159.69,95.01 159.99,94.7 170.88,94.7 171.19,95.01 v1(171.19,102.51)
